# Altium PCB RK_NVR_DEMO1_RK3588_LP4XD200P232SD8_V21_20211228_final_lint.PcbDoc (part 23 of 29) (continued)
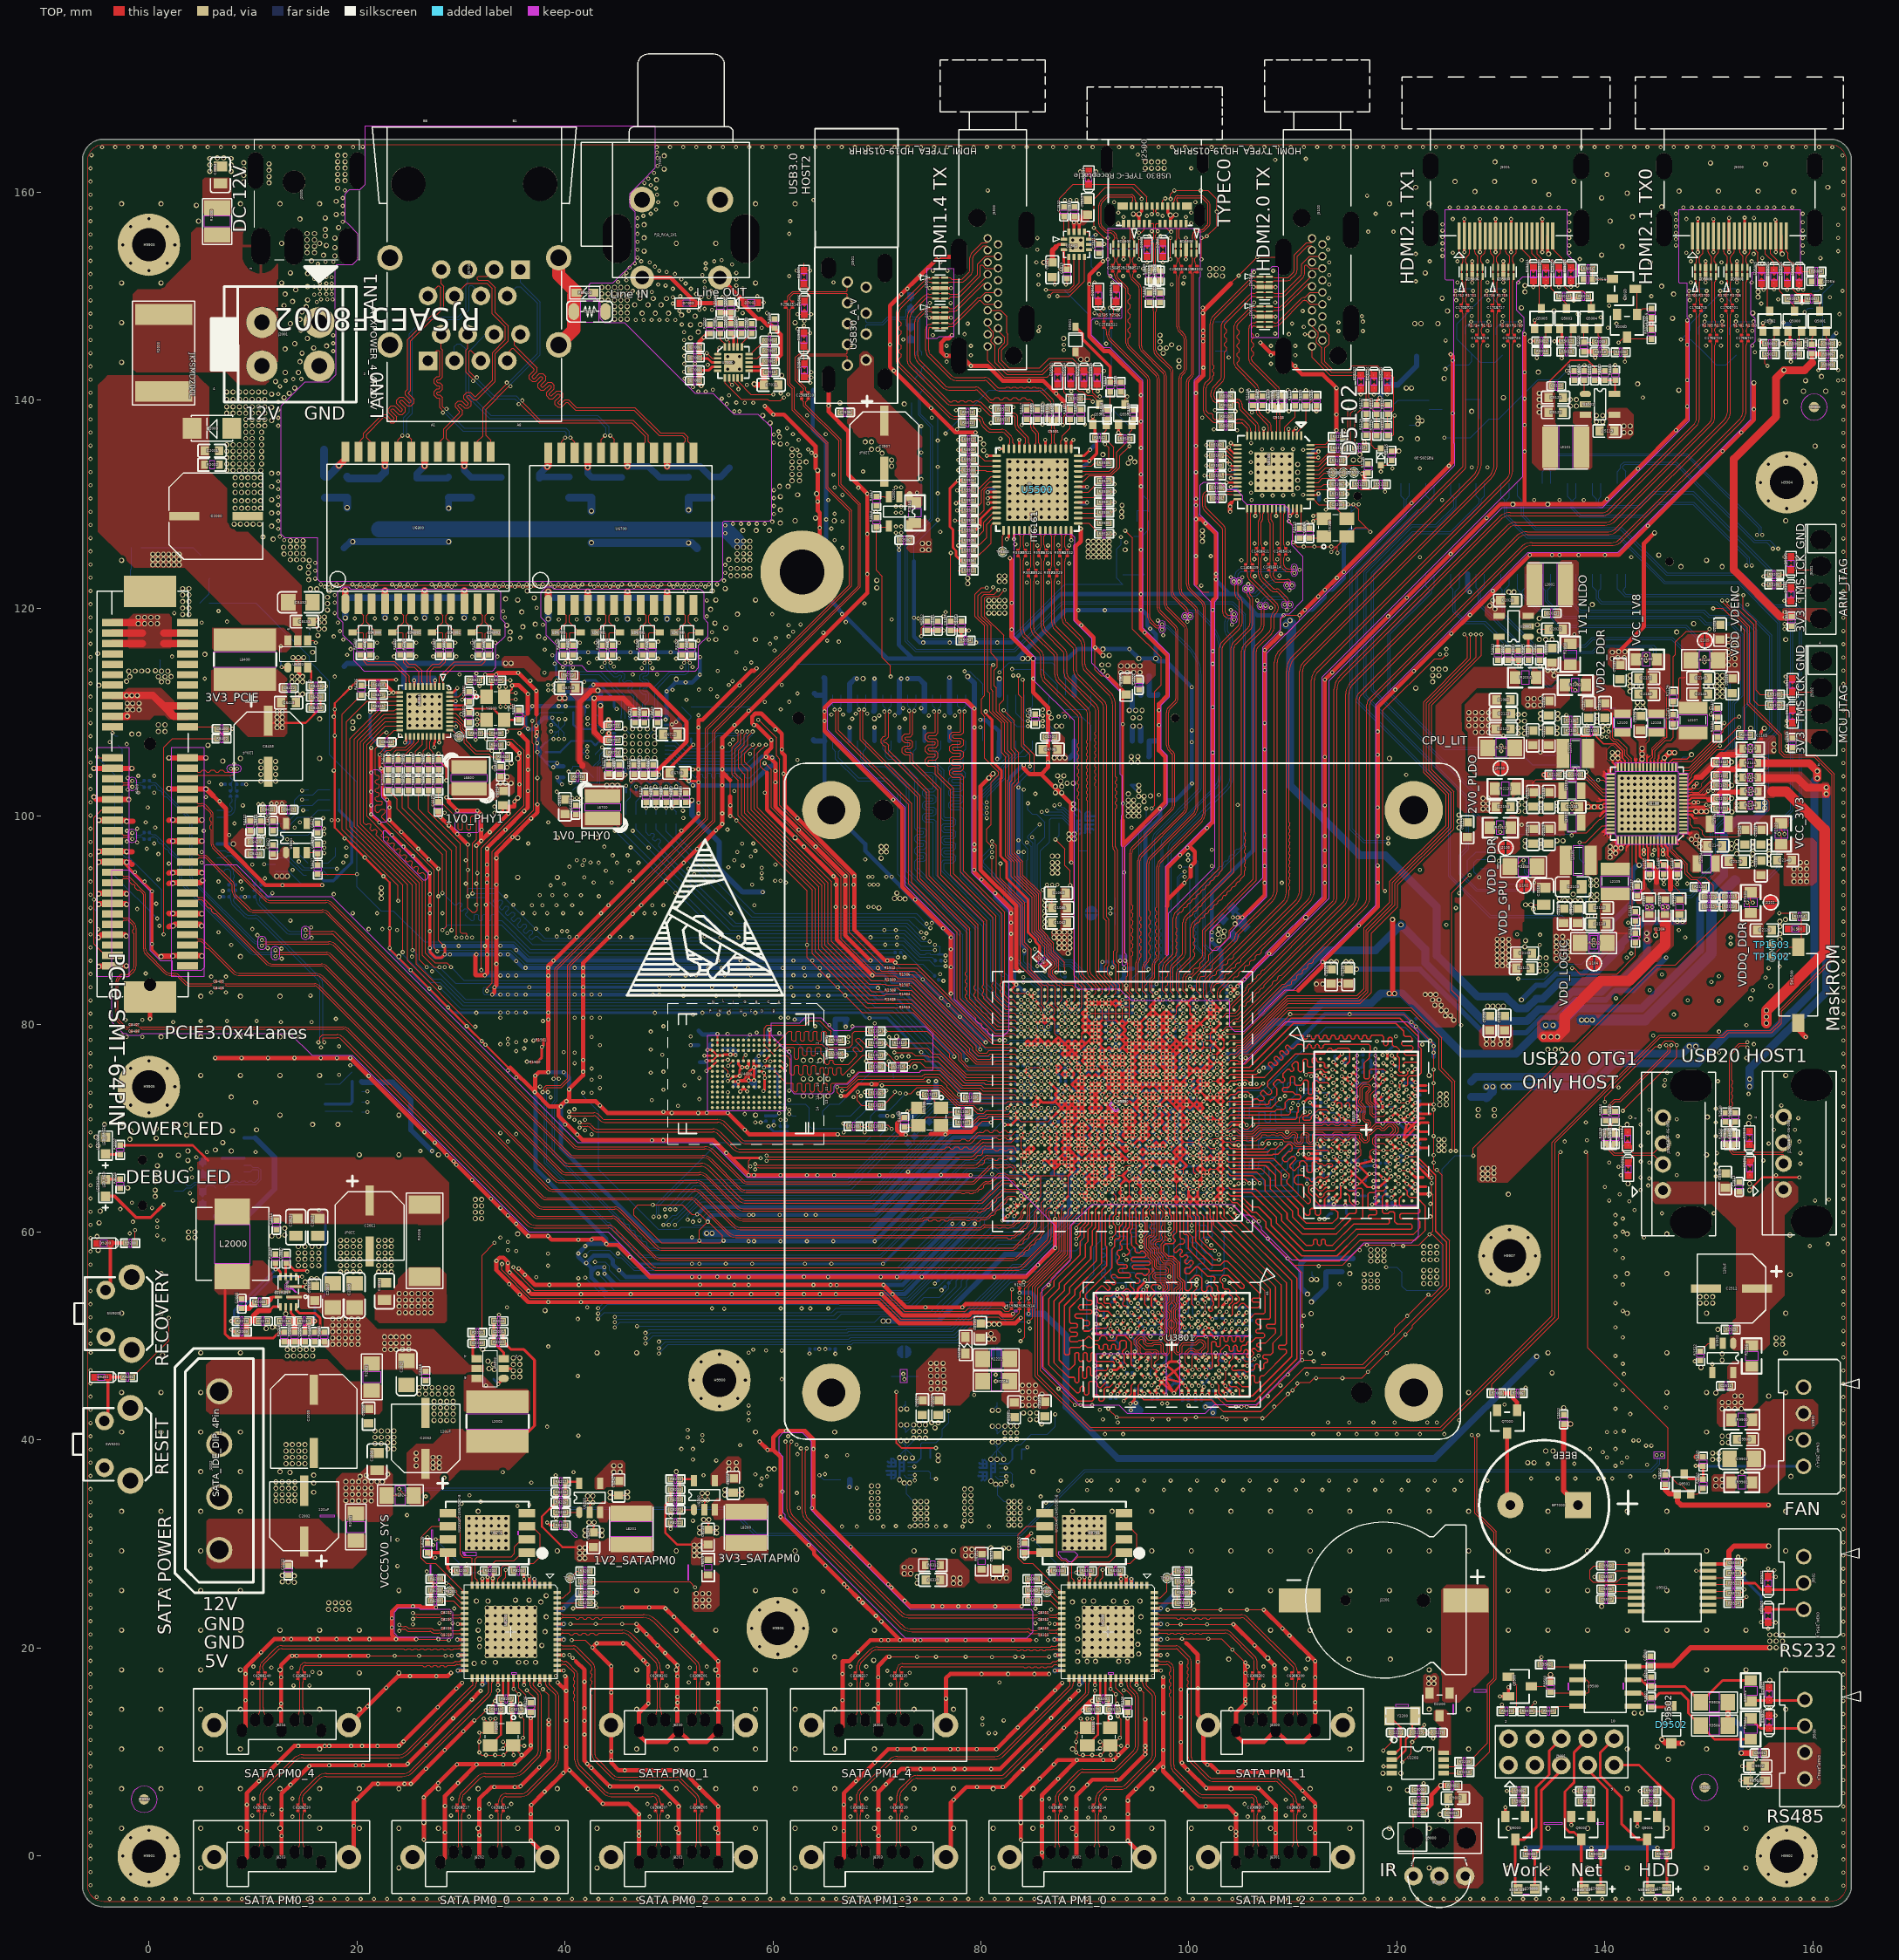
[diagram p0: TOP view]
## Nets (pads, with @x,y where several pads share a name; then routed paths per layer and width w, separated by ;. In a path a pad name is that pad's centre, name@x,y a point inside that pad or via, vN(x,y) a via of type N, cw(c..) or ccw(c..) an arc to the next point about the centre after c; other vN are vias at no path point) (continued)
USB30_2_SSRXN: R2512.1 U1000.J30 | length 150.4
  TOP w0.084: v4(38.907,74.74) 39.056,74.889 39.056,85.36 53.535,99.838 53.535,108.418 67.352,122.235 67.352,129.291 65.117,131.526 65.117,135.793 61.866,139.044 61.866,141.076 61.447,141.496 61.447,148.721 R2512.1@61.231,148.937
  TOP w0.102: v4(85.166,66.731) U1000.J30@85.491,67.055
  BOTTOM w0.084: v4(38.907,74.74) 39.056,74.591 39.056,72.715 38.786,72.445 38.786,67.535 48.048,58.273 70.118,58.273 78.533,66.688 82.33,66.688 82.771,66.247 83.472,66.247 83.634,66.409 84.704,66.409 85.026,66.731 v4(85.166,66.731)
  other v3: 85.166,66.731 38.907,74.74
USB30_2_SSRXP: R2514.1 U1000.J31 | length 150.5
  TOP w0.084: v4(39.409,74.74) 39.26,74.889 39.26,85.276 53.738,99.754 53.738,108.333 67.555,122.151 67.555,129.375 65.32,131.61 65.32,135.878 62.069,139.129 62.069,141.161 61.65,141.58 61.65,148.721 R2514.1@61.866,148.937
  TOP w0.102: v4(84.516,66.731) U1000.J31@84.841,67.055
  BOTTOM w0.084: v4(39.409,74.74) 39.26,74.59 39.26,72.631 38.989,72.361 38.989,67.619 45.279,61.329 45.38,61.329 45.481,61.329 45.66,61.151 45.66,60.949 45.838,60.771 45.939,60.771 46.04,60.771 46.218,60.593 46.218,60.391 46.396,60.212 46.497,60.213 46.598,60.213 46.776,60.035 46.776,59.832 46.954,59.654 47.055,59.654 47.156,59.654 47.334,59.476 47.334,59.274 47.512,59.096 47.614,59.096 47.715,59.096 47.893,58.918 47.893,58.716 48.132,58.476 70.034,58.476 78.449,66.891 78.935,66.891 79.054,67.011 79.283,67.011 79.402,66.891 79.631,66.891 79.75,67.011 79.979,67.011 80.098,66.891 80.326,66.891 80.446,67.011 80.674,67.011 80.794,66.891 81.022,66.891 81.142,67.011 81.37,67.011 81.49,66.891 81.718,66.891 81.838,67.011 82.067,67.011 82.186,66.891 82.414,66.891 82.855,66.45 83.388,66.45 83.549,66.612 84.397,66.612 v4(84.516,66.731)
  other v3: 84.516,66.731 39.409,74.74
USB30_2_SSTXN: C2509.1 U1000.H29 | length 145.2
  TOP w0.084: v4(37.863,73.47) 38.012,73.619 38.012,73.902 38.215,74.105 39.61,74.105 40.276,74.77 40.276,85.634 54.246,99.604 54.246,108.166 68.216,122.136 68.216,129.934 66.336,131.814 66.336,136.081 62.971,139.446 62.971,139.816 62.755,140.032 C2509.1@62.755,140.194
  TOP w0.127: v4(85.816,66.081) U1000.H29@86.141,66.406
  BOTTOM w0.084: v4(37.863,73.47) 38.058,73.274 38.058,66.67 47.142,57.587 70.426,57.587 78.795,65.957 81.393,65.957 81.805,65.545 85.339,65.545 85.593,65.798 85.593,65.997 85.676,66.081 v4(85.816,66.081)
  other v3: 85.816,66.081 37.863,73.47
USB30_2_SSTXP: C2510.1 U1000.H30 | length 145.3
  TOP w0.084: v4(38.364,73.47) 38.215,73.619 38.215,73.818 38.299,73.902 39.695,73.902 40.479,74.686 40.479,85.55 54.449,99.52 54.449,108.082 68.419,122.052 68.419,130.018 66.539,131.898 66.539,136.165 63.174,139.531 63.174,139.816 63.39,140.032 C2510.1@63.39,140.194
  TOP w0.127: v4(85.166,66.081) U1000.H30@85.491,66.406
  BOTTOM w0.084: v4(38.364,73.47) 38.261,73.367 38.261,66.755 44.088,60.928 44.258,60.928 44.436,60.75 44.436,60.581 44.613,60.403 44.783,60.403 44.961,60.225 44.961,60.055 45.139,59.877 45.308,59.877 45.486,59.7 45.486,59.53 45.664,59.352 45.834,59.352 46.011,59.174 46.011,59.005 46.189,58.827 46.359,58.827 46.537,58.649 46.537,58.479 46.714,58.302 46.884,58.302 47.062,58.124 47.062,57.954 47.226,57.79 70.341,57.79 78.711,66.16 81.477,66.16 81.889,65.748 82.374,65.748 82.493,65.868 82.722,65.868 82.841,65.748 83.07,65.748 83.189,65.868 83.418,65.868 83.537,65.748 85.255,65.748 85.389,65.883 85.389,65.997 85.306,66.081 v4(85.166,66.081)
  other v3: 85.166,66.081 38.364,73.47
USB30_HOST2_SSRXN: D2507.1 J2501.5 R2512.2 | length 8.3
  TOP w0.084: R2512.2@61.231,149.437 61.447,149.653 61.447,150.018 61.889,150.46 62.479,150.46 62.679,150.66 62.679,150.872 D2507.1@63.003,151.197 63.39,150.81 63.39,150.544 63.474,150.46 67.08,150.46 67.163,150.544 J2501.5@67.163,151.358
USB30_HOST2_SSRXP: D2506.1 J2501.6 R2514.2 | length 8
  TOP w0.084: R2514.2@61.866,149.437 61.65,149.653 61.65,149.933 61.973,150.257 62.524,150.257 62.706,150.074 62.706,149.817 D2506.1@63.003,149.52 63.39,149.907 63.39,150.161 63.485,150.257 67.08,150.257 67.163,150.173 J2501.6@67.163,149.358
USB30_HOST2_SSTXN: C2509.2 D2508.1 J2501.8 | length 11
  TOP w0.084: C2509.2@62.755,140.694 62.971,140.91 62.971,141.089 62.171,141.889 62.171,144.107 62.524,144.46 62.919,144.46 63.003,144.544 D2508.1@63.003,145.197 63.39,144.81 63.39,144.544 63.474,144.46 67.08,144.46 67.163,144.544 J2501.8@67.163,145.358
USB30_HOST2_SSTXP: C2510.2 D2509.1 J2501.9 | length 10.6
  TOP w0.084: D2509.1@63.003,143.52 63.013,143.53 ; C2510.2@63.39,140.694 63.174,140.91 63.174,141.173 62.374,141.974 62.374,144.023 62.608,144.257 62.928,144.257 63.013,144.173 63.013,143.53 ; J2501.9@67.163,143.358 67.163,144.173 67.08,144.257 63.485,144.257 63.39,144.161 63.39,143.907 63.013,143.53
USB_HOST_PWREN_H_GPIO4_B0: R2516.1 U1000.AK26 U2501.4 U2502.4 | length 169.8
  TOP w0.102: U2501.4@71.143,127.896 71.055,127.807 R2516.1@69.943,127.807 69.943,123.635 70.502,123.076 70.502,115.253 71.315,114.44 v4(71.315,113.424) ; v4(82.186,110.173) 83.202,109.157 83.202,106.515 83.608,106.109 83.608,103.264 83.202,102.858 83.202,96.457 84.015,95.644 84.015,94.323 85.746,92.592 85.746,89.178 86.453,88.471 86.453,88.329 86.999,87.783 86.999,86.97 88.028,85.941 88.028,85.433 88.079,85.382 v4(88.079,84.976) ; U1000.AK26@88.091,80.706 v4(88.415,80.381) ; U2502.4@150.332,46.5 v4(150.332,47.301)
  L4-S1 w0.102: v4(150.332,47.301) 150.332,51.522 153.407,54.598 153.407,76.543 v4(153.611,76.746)
  L6-S2 w0.089: 88.079,84.081 88.079,80.889 88.281,80.686 88.281,80.515 v4(88.415,80.381)
  L6-S2 w0.102: v4(71.315,113.424) 71.619,113.729 77.715,113.729 78.528,112.916 79.849,112.916 80.865,111.9 80.865,111.494 v4(82.186,110.173) ; 88.079,84.081 v4(88.079,84.976) 88.079,85.586 95.724,93.231 119.041,93.231 123.638,88.634 125.975,88.634 129.43,85.179 130.344,85.179 131.563,83.96 132.986,83.96 133.697,83.249 135.424,83.249 135.831,82.842 137.659,82.842 143.349,77.153 150.563,77.153 150.969,76.746 v4(153.611,76.746)
  other v3: 150.332,47.301 153.611,76.746 88.415,80.381 88.079,84.976 82.186,110.173 71.315,113.424
  other v12: 153.611,76.746 88.415,80.381 88.079,84.976 82.186,110.173 71.315,113.424
  other v17: 150.332,47.301 153.611,76.746
USB_OTG_PWREN_H_GPIO4_A7: R2510.1 U1000.AM27 U2500.4 | length 94.7
  TOP w0.102: v4(81.17,122.009) 81.17,121.857 80.865,121.552 80.104,121.552 79.747,121.195 79.747,119.215 80.662,118.301 80.662,112.002 80.865,111.798 80.865,110.071 81.983,108.954 81.983,106.109 82.389,105.702 82.389,96.119 82.897,95.611 82.897,94.222 84.933,92.186 84.933,88.841 85.539,88.235 85.539,88.024 86.148,87.414 86.148,86.602 86.859,85.89 86.859,85.687 86.504,85.332 86.504,84.62 87.367,83.757 87.469,83.757 87.774,83.452 87.774,82.339 U1000.AM27@87.441,82.006
  L4-S1 w0.102: v4(101.185,122.162) 97.934,125.413 97.934,134.252 101.693,138.011 101.693,139.637 102.506,140.45 102.506,141.161 102.861,141.516 103.573,141.516 103.827,141.77 v4(103.827,144.107)
  L6-S2 w0.102: v4(81.17,122.009) 81.17,123.076 81.652,123.559 82.516,123.559 83.024,123.051 89.933,123.051 90.314,122.67 100.677,122.67 v4(101.185,122.162)
  BOTTOM w0.102: U2500.4@102.558,144.747 103.651,144.747 R2510.1@103.7,144.698 103.7,144.234 v4(103.827,144.107)
  other v3: 81.17,122.009 101.185,122.162 103.827,144.107
  other v12: 81.17,122.009 101.185,122.162
  other v17: 101.185,122.162 103.827,144.107
USBCC_INT_L_GPIO1_A0: U1000.A24 U2503.5 | length 263.6
  TOP w0.102: v4(86.25,150.61) 88.485,150.61 88.946,151.071 U2503.5@88.946,153.768 ; U1000.A24@89.391,61.856 88.536,61.001 88.536,57.671 85.488,54.623 85.488,46.266 90.514,41.24 124.2,41.24 134.916,51.956 134.916,68.618 145.232,78.934 151.328,78.934 151.782,79.388 155.947,79.388 156.76,80.201 156.76,81.318 161.84,86.398 161.84,103.975 160.113,105.702 157.167,105.702 156.76,106.109 156.76,107.734 153.712,110.782 153.712,118.167 151.274,120.605 v4(151.274,120.739)
  L4-S1 w0.102: v4(91.127,147.46) 91.127,145.428 92.447,144.107 92.447,136.056 93.26,135.243 93.26,132.83 94.683,131.407 94.683,128.867 93.484,127.669 93.484,127.322 93.971,126.835 v4(93.971,126.327)
  L6-S2 w0.102: v4(93.971,126.327) 95.495,126.327 96.41,125.413 103.319,125.413 105.097,123.635 109.262,123.635 115.815,117.082 129.633,117.082 134.103,121.552 150.461,121.552 v4(151.274,120.739)
  BOTTOM w0.102: v4(86.25,150.61) 87.977,150.61 v4(91.127,147.46)
  other v3: 151.274,120.739 93.971,126.327 91.127,147.46 86.25,150.61
  other v12: 151.274,120.739 93.971,126.327
  other v17: 93.971,126.327 91.127,147.46
VBUS5V0_TYPEC0: C2504.1 C2505.1 C2516.1 C2528.1 J2500.A4 J2500.A9 J2500.B4 J2500.B9 R2505.1 R2539.2 U2503.2 | length 8.3
  TOP w0.305: 87.215,154.724 87.469,154.978 U2503.2@87.986,154.978 ; v8(94.657,157.899) 94.708,157.899 94.733,157.874 94.91,157.874 95.214,157.569 ; J2500.A9@95.214,156.975 95.214,157.569 ; J2500.B4@95.465,158.675 95.465,158.148 v8(95.214,157.898) 95.214,157.569 ; J2500.B9@97.964,158.675 97.964,158.046 v8(98.215,157.796) 98.215,157.393 ; J2500.A4@98.215,156.975 98.215,157.393 ; v8(98.747,157.823) 98.645,157.823 98.215,157.393
  TOP w0.508: v8(86.047,153.24) C2516.1@86.859,153.24 86.859,154.369 87.215,154.724
  other v7: 103.217,151.931 101.998,152.032 102.608,152.032 101.998,152.642 102.608,152.642 103.217,152.642 86.047,153.24 98.215,157.796 98.747,157.823 94.657,157.899 95.214,157.898
  other v8: 103.217,151.931 101.998,152.032 102.608,152.032 101.998,152.642 102.608,152.642 103.217,152.642
  other v20: 103.217,151.931 101.998,152.032 102.608,152.032 101.998,152.642 102.608,152.642 103.217,152.642 86.047,153.24 98.215,157.796 98.747,157.823 94.657,157.899 95.214,157.898
VCC3V3_FT232_DEBUG: C9104.1 U9100.17 | length 2.1
  BOTTOM w0.305: C9104.1@7.059,67.096 7.071,67.107 U9100.17@9.159,67.107
VCC3V3_IR: C9001.1 C9002.1 IR9000.3 J9000.3 R9002.2
VCC3V3_PCIE30: C8411.1 C8412.1 C8413.1 C8414.1 C8415.1 C8416.1 C8434.1 C8435.1 C8436.1 C8437.1 J8400.A9 J8400.A10 J8400.B8 J8400.B10 L8400.2 R8430.1 | length 18.2
  TOP w0.203: C8435.1@11.687,108.954 15.054,108.954 C8434.1@16.506,110.405 R8430.1@16.506,111.46
  TOP w0.711: J8400.B10@-3.495,109.599 v8(-2.077,109.599) ; J8400.B8@-3.495,111.599 v8(-2.142,111.599) v8(-1.634,111.599) v8(-1.126,111.599) 0.398,111.599 1.398,110.599 ; J8400.A10@3.705,109.599 2.398,109.599 1.398,110.599 ; J8400.A9@3.705,110.599 1.398,110.599
  other v7: 12.325,108.511 12.833,108.511 12.325,109.019 12.833,109.019 12.325,109.527 12.833,109.527 -2.077,109.599 12.325,110.035 12.833,110.035 -2.077,110.234 -1.569,110.234 -0.959,110.234 -2.077,110.844 -1.569,110.844 -0.959,110.844 -2.142,111.599 -1.634,111.599 -1.126,111.599
  other v8: 12.325,108.511 12.833,108.511 12.325,109.019 12.833,109.019 12.325,109.527 12.833,109.527 12.325,110.035 12.833,110.035 -2.077,110.234 -1.569,110.234 -0.959,110.234 -2.077,110.844 -1.569,110.844 -0.959,110.844
VCC3V3_PHY0: C6712.1 C6713.1 C6714.1 C6719.1 C6720.1 R6717.1 R6719.1 R6733.2 R6734.1 U6701.11 U6701.29 U6701.40 | length 16.7
  TOP w0.508: 41.691,104.788 41.691,104.941 41.419,105.213 41.419,110.935 42.562,112.078 v8(43.171,112.078) ; v8(43.425,110.63) 43.425,108.928 43.651,108.702 C6714.1@44.204,108.702 44.187,108.719 v4(44.187,109.284)
  BOTTOM w0.254: v4(44.187,109.284) 44.187,109.026 44.441,108.772 U6701.40@44.81,108.772 ; v4(45.81,103.978) U6701.29@45.81,104.572 ; U6701.11@49.61,108.772 50.233,108.772 v4(50.283,108.823)
  BOTTOM w0.406: v4(50.283,108.823) 50.458,108.823 v4(50.69,109.055) 51.171,109.536 R6734.1@51.23,109.536
  BOTTOM w0.508: v8(43.171,112.078) 43.425,111.824 v8(43.425,110.63)
  other v3: 45.81,103.978 50.283,108.823 50.69,109.055 44.187,109.284
  other v7: 43.425,110.63 43.171,112.078
VCC3V3_PHY1: C6811.1 C6812.1 C6813.1 C6818.1 C6819.1 R6817.1 R6819.1 R6833.2 R6834.1 U6801.11 U6801.29 U6801.40 | length 4.2
  TOP w0.254: v4(23.512,111.871) U6801.11@24.109,111.871 ; v4(27.909,107.077) U6801.29@27.909,107.671 ; U6801.40@28.909,111.871 29.227,111.871 v4(29.66,112.305)
  TOP w0.305: R6834.1@22.489,112.635 22.774,112.635 23.512,111.897 v4(23.512,111.871)
  BOTTOM w0.305: C6819.1@29.509,111.648 29.481,111.676 29.481,112.125 v4(29.66,112.305)
  other v3: 27.909,107.077 31.411,107.353 23.105,111.849 23.512,111.871 29.66,112.305
  other v4: 31.411,107.353 23.105,111.849
  other v26: 27.909,107.077 31.411,107.353 23.105,111.849 23.512,111.871 29.66,112.305
VCC3V3_PI6C_05: C8417.1 C8418.1 C8422.1 C8425.1 R8408.1 R8410.1 R8412.1 R8417.1 R8420.1 R8422.1 U8400.1 U8401.5 | length 12
  BOTTOM w0.203: R8408.1@18.298,100.563 R8412.1@18.298,101.588 R8410.1@18.298,102.553
  BOTTOM w0.305: R8417.1@16.062,94.319 16.29,94.319 16.819,93.79 17.746,93.79 18.1,94.143 R8420.1@18.1,94.319 18.275,94.319 19.499,95.542 19.499,99.362 R8408.1@18.298,100.563
  other v3: 11.777,101.232 12.285,101.232 12.793,101.232
  other v4: 11.777,101.232 12.285,101.232 12.793,101.232
VCC3V3_SATAPM0: C8209.1 C8225.1 C8226.1 C8227.1 C8228.1 C8229.1 C8230.1 C8231.1 C8232.1 C8233.1 C8234.1 C8235.1 C8236.1 L8200.2 R8200.1 R8203.1 R8204.1 R8205.1 R8208.1 R8209.1 R8210.1 R8211.2 R8213.1 R8215.1 R8311.1 U8200.6 U8200.12 U8200.26 U8200.32 U8200.38 U8200.43 U8200.49 U8200.55 U8200.61 U8201.8 | length 32.1
  TOP w0.203: v4(38.295,32.068) 38.551,31.811 R8215.1@39.14,31.811 ; C8225.1@50.164,35.254 R8213.1@50.164,34.269 49.648,33.754 49.648,31.103 50.781,29.969 C8226.1@53.759,29.969
  TOP w0.254: v4(29.024,27.42) R8205.1@29.589,27.42 ; v4(33.065,26.706) 33.065,27.251 R8203.1@33.233,27.42 ; R8204.1@35.976,27.42 36.065,27.331 v4(36.065,26.632)
  TOP w0.305: R8209.1@27.097,24.541 R8210.1@27.097,25.557 27.097,25.62 27.525,26.048 v4(27.525,26.073) 27.5,26.073 27.097,26.476 R8208.1@27.097,26.632 ; v4(27.525,28.69) 27.279,28.69 C8228.1@26.79,29.179 U8201.8@28.738,29.179 28.738,27.705 v4(29.024,27.42) ; v4(29.659,20.827) U8200.26@30.365,20.827 ; v4(29.7,17.827) U8200.32@30.365,17.827 ; U8200.12@33.065,26.028 v4(33.065,26.706) ; v4(33.565,16.447) U8200.38@33.565,17.127 ; v4(36.065,16.467) U8200.43@36.065,17.127 ; U8200.6@36.065,26.028 v4(36.065,26.632) ; U8200.49@39.265,17.827 v4(39.895,17.827) ; U8200.55@39.265,20.827 v4(39.895,20.827) ; U8200.61@39.265,23.827 v4(39.88,23.827) ; R8200.1@42.41,25.345 v4(43.07,25.345)
  BOTTOM w0.508: v4(29.659,20.827) 29.735,20.827 29.749,20.842 C8234.1@30.225,20.842 ; v4(29.7,17.827) 29.751,17.827 29.819,17.896 C8229.1@30.251,17.896 ; C8235.1@39.261,20.865 39.857,20.865 v4(39.895,20.827) ; C8230.1@39.261,23.735 39.788,23.735 v4(39.88,23.827) 41.398,25.345 v4(43.07,25.345)
  other v3: 33.565,16.447 36.065,16.467 29.7,17.827 39.895,17.827 29.659,20.827 39.895,20.827 39.88,23.827 43.07,25.345 27.525,26.073 36.065,26.632 33.065,26.706 29.024,27.42 27.525,28.69 38.295,32.068
  other v7: 52.442,28.893 52.95,28.893 78.528,28.893 79.138,28.893 52.442,29.401 52.95,29.401 78.528,29.502 79.138,29.502 52.442,29.909 52.95,29.909
  other v8: 52.442,28.893 52.95,28.893 78.528,28.893 79.138,28.893 52.442,29.401 52.95,29.401 78.528,29.502 79.138,29.502 52.442,29.909 52.95,29.909
  other v12: 33.565,16.447 36.065,16.467 29.7,17.827 39.895,17.827 29.659,20.827 39.895,20.827 39.88,23.827 27.525,26.073 36.065,26.632 33.065,26.706 29.024,27.42 27.525,28.69 38.295,32.068
  other v22: 52.442,28.893 52.95,28.893 78.528,28.893 79.138,28.893 52.442,29.401 52.95,29.401 78.528,29.502 79.138,29.502 52.442,29.909 52.95,29.909
VCC3V3_SATAPM1: C8308.1 C8324.1 C8325.1 C8326.1 C8327.1 C8328.1 C8329.1 C8330.1 C8331.1 C8332.1 C8333.1 C8334.1 R8300.1 R8303.1 R8304.1 R8305.1 R8308.1 R8309.1 R8310.1 R8311.2 U8300.6 U8300.12 U8300.26 U8300.32 U8300.38 U8300.43 U8300.49 U8300.55 U8300.61 U8301.8 | length 19.6
  TOP w0.254: v4(86.428,27.42) R8305.1@86.993,27.42 ; v4(90.469,26.706) 90.469,27.251 R8303.1@90.637,27.42 ; R8304.1@93.38,27.42 93.469,27.331 v4(93.469,26.632)
  TOP w0.305: v4(84.194,28.639) C8326.1@84.194,29.179 U8301.8@86.142,29.179 ; R8310.1@84.501,24.541 R8309.1@84.501,25.557 v4(84.501,26.082) R8308.1@84.501,26.632 ; v4(87.063,20.827) U8300.26@87.769,20.827 ; v4(87.104,17.827) U8300.32@87.769,17.827 ; U8300.12@90.469,26.028 v4(90.469,26.706) ; v4(90.969,16.447) U8300.38@90.969,17.127 ; v4(93.469,16.467) U8300.43@93.469,17.127 ; U8300.6@93.469,26.028 v4(93.469,26.632) ; U8300.49@96.669,17.827 v4(97.299,17.827) ; U8300.55@96.669,20.827 v4(97.299,20.827) ; U8300.61@96.669,23.827 v4(97.284,23.827) ; R8300.1@99.814,25.345 v4(100.474,25.345)
  BOTTOM w0.508: v4(87.063,20.827) 87.139,20.827 87.153,20.842 C8327.1@87.629,20.842 ; v4(87.104,17.827) 87.155,17.827 87.223,17.896 C8308.1@87.655,17.896 ; C8332.1@96.665,20.865 97.261,20.865 v4(97.299,20.827) ; C8333.1@96.665,23.735 97.192,23.735 v4(97.284,23.827) 98.802,25.345 v4(100.474,25.345)
  other v3: 90.969,16.447 93.469,16.467 87.104,17.827 97.299,17.827 87.063,20.827 97.299,20.827 97.284,23.827 100.474,25.345 84.501,26.082 93.469,26.632 90.469,26.706 86.428,27.42 84.194,28.639
  other v7: 81.17,26.734 81.805,26.734 82.44,26.734 82.44,27.369
  other v8: 81.17,26.734 81.805,26.734 82.44,26.734 82.44,27.369
  other v17: 90.969,16.447 93.469,16.467 87.104,17.827 97.299,17.827 87.063,20.827 97.299,20.827 97.284,23.827 84.501,26.082 93.469,26.632 90.469,26.706 86.428,27.42 84.194,28.639
  other v20: 81.17,26.734 81.805,26.734 82.44,26.734 82.44,27.369
VCC4V0_SYS: C2015.1 C2017.1 C2020.1 C2103.1 C2104.1 C2105.1 C2114.1 C2126.1 C2127.1 C2138.1 C2139.1 C2147.1 C2148.1 C2161.1 C2162.1 C2200.1 C2201.1 C2202.1 C2203.1 C2218.1 C2219.1 C5119.1 C5520.1 C8224.1 C8242.1 C8421.1 ED2100.1 R2006.2 R2136.1 R8212.1 U2000.5 U2001.4 U2100.1 U2100.7 U2100.21 U2100.22 U2100.27 U2100.28 U2100.33 U2100.34 U2100.43 U2100.44 U2100.52 U2100.53 U2100.54 U2100.64 U2200.D1 U2200.D2 U2200.E1 U2200.E2 U2201.D1 U2201.D2 U2201.E1 U2201.E2 U2202.D1 U2202.D2 U2202.E1 U2202.E2 U5101.4 U5501.4 U8202.4 U8203.4 U8401.1 | length 38.4
  TOP w0.152: v8(140.73,105.576) 140.73,105.881 140.832,105.983 141.137,105.983 v8(141.238,106.084) ; U2100.1@147.905,98.403 148.124,98.184 148.343,98.403
  TOP w0.203: v4(50.164,31.458) R8212.1@50.164,32.065 ; R2136.1@136.289,109.195 v4(136.289,109.721) ; U2100.44@140.538,100.853 v7@139.665,100.853 ; U2100.43@140.538,101.203 139.916,101.203 v8(139.615,100.902) ; v8(140.73,105.576) 140.73,105.171 140.911,104.991 140.95,104.991 U2100.34@141.238,104.703 v8(141.238,105.576) 141.588,105.226 U2100.33@141.588,104.703 ; v8(141.546,96.94) v7@141.588,96.982 ; U2100.53@141.588,97.703 v7@141.588,96.982 ; U2100.54@141.938,97.703 141.938,97.332 v7@141.588,96.982 ; U2100.28@143.338,104.703 143.338,105.234 v8(143.578,105.474) 143.688,105.363 U2100.27@143.688,104.703 ; U2100.64@145.438,97.703 145.438,97.111 145.584,96.965 v4(145.584,96.736) ; U2100.22@145.438,104.703 145.438,105.321 v8(145.718,105.601) 145.788,105.531 U2100.21@145.788,104.703 ; U2100.7@147.538,100.503 148.701,100.503 v8(148.752,100.452) ; 147.54,98.057 147.538,98.058 U2100.1@147.538,98.403 147.905,98.403 148.343,98.403 148.353,98.413 ; v8(139.615,100.902) v7@139.665,100.853 ; v8(139.615,100.902) v7@139.664,100.853 ; 140.936,97.55 141.038,97.448 v8(141.038,96.94) 141.238,97.14 U2100.52@141.238,97.703 141.089,97.703 140.936,97.55
  TOP w0.254: U2000.5@13.154,55.717 13.154,56.947 C2017.1@13.199,56.992 13.345,56.992 14.038,56.299 15.155,56.299 v4(15.231,56.223)
  TOP w0.406: v4(145.584,96.33) v4(145.584,96.736)
  TOP w0.508: v8(138.396,100.902) 138.955,100.902 v8(138.98,100.876) 139.006,100.902 v8(139.615,100.902) ; v8(141.038,96.432) v8(141.038,96.94) v8(141.546,96.94) ; v8(141.238,105.576) v8(141.238,106.084) ; v8(143.578,105.474) v8(143.578,105.982) v8(143.578,106.515) ; v8(145.718,105.601) 146.194,106.077 v8(146.194,106.109) v8(146.702,106.109) ; v8(148.752,100.452) v8(149.267,100.452) v8(149.775,100.452)
  BOTTOM w0.203: 70.937,37.049 U2201.E2@71.384,37.049 ; 71,36.649 U2201.E1@71.384,36.649 ; 71.384,36.278 U2201.E1@71.384,36.649 ; 71.619,36.31 71.784,36.474 U2201.D1@71.784,36.649 ; 79.747,36.564 79.789,36.522 U2200.E1@80.173,36.522 ; 79.849,36.919 79.852,36.922 U2200.E2@80.173,36.922 ; 80.052,36.106 80.173,36.227 U2200.E1@80.173,36.522 ; 80.357,36.106 80.573,36.322 U2200.D1@80.573,36.522 ; 90.212,100.419 90.047,100.254 U2202.D1@90.047,99.978 ; 90.415,100.419 90.447,100.387 U2202.E1@90.447,99.978 ; 90.822,99.606 90.793,99.578 U2202.E2@90.447,99.578 ; 90.923,100.013 90.888,99.978 U2202.E1@90.447,99.978 ; U2201.E1@71.384,36.649 U2201.D1@71.784,36.649 ; U2201.E1@71.384,36.649 U2201.E2@71.384,37.049 ; U2201.E2@71.384,37.049 U2201.D2@71.784,37.049 U2201.D1@71.784,36.649 ; U2200.E1@80.173,36.522 U2200.D1@80.573,36.522 ; U2200.E1@80.173,36.522 U2200.E2@80.173,36.922 ; U2200.E2@80.173,36.922 U2200.D2@80.573,36.922 U2200.D1@80.573,36.522 ; U2202.D1@90.047,99.978 U2202.D2@90.047,99.578 U2202.E2@90.447,99.578 ; U2202.D1@90.047,99.978 U2202.E1@90.447,99.978 ; U2202.E2@90.447,99.578 U2202.E1@90.447,99.978
  other v3: 50.164,31.458 15.231,56.223 145.584,96.33 145.584,96.736 136.847,100.724 136.847,101.232 136.289,109.721
  other v4: 136.847,100.724 136.847,101.232
  other v7: 78.427,32.246 79.036,32.246 69.486,32.55 70.095,32.55 78.427,32.855 79.036,32.855 69.486,33.16 70.095,33.16 78.427,33.465 79.036,33.465 69.486,33.77 70.095,33.77 78.427,34.074 79.036,34.074 69.486,34.379 70.095,34.379 78.427,34.684 79.036,34.684 69.486,34.989 70.095,34.989 78.427,35.294 79.036,35.294 69.486,35.598 70.095,35.598 44.695,36.919 45.305,36.919 55.77,37.224 56.481,37.224 44.695,37.529 45.305,37.529 55.77,37.834 56.481,37.834 24.071,52.261 24.68,52.261 25.29,52.261 25.899,52.261 26.509,52.261 27.119,52.261 24.071,52.87 24.68,52.87 25.29,52.87 25.899,52.87 26.509,52.87 27.119,52.87 24.071,53.48 24.68,53.48 25.29,53.48 25.899,53.48 26.509,53.48 27.119,53.48 24.071,54.09 24.68,54.09 25.29,54.09 25.899,54.09 26.509,54.09 27.119,54.09 22.343,92.088 22.343,92.596 22.343,93.104 12.285,94.222 12.793,94.222 13.301,94.222 140.504,96.05 141.038,96.432 140.504,96.558 141.038,96.94 141.546,96.94 140.504,97.066 149.14,97.067 148.734,97.371 149.14,97.676 148.328,97.778 148.835,98.082 94.175,100.013 94.683,100.013 95.191,100.013 148.752,100.452 149.267,100.452 149.775,100.452 94.175,100.521 94.683,100.521 95.191,100.521 138.98,100.876 138.396,100.902 139.615,100.902 94.175,101.029 94.683,101.029 95.191,101.029 94.175,101.537 94.683,101.537 94.175,102.147 143.578,105.474 140.73,105.576 141.238,105.576 145.718,105.601 143.578,105.982 141.238,106.084 140.707,106.109 146.194,106.109 146.702,106.109 143.578,106.515 80.763,119.52 81.271,119.52 81.779,119.52 82.287,119.52 129.43,119.926 80.763,120.13 81.271,120.13 81.779,120.13 82.287,120.13 128.922,120.231 80.763,120.739 81.271,120.739 81.779,120.739 82.287,120.739 129.227,120.739 141.825,136.894 142.435,136.894 141.825,137.503 142.435,137.503
  other v8: 78.427,32.246 79.036,32.246 69.486,32.55 70.095,32.55 78.427,32.855 79.036,32.855 69.486,33.16 70.095,33.16 78.427,33.465 79.036,33.465 69.486,33.77 70.095,33.77 78.427,34.074 79.036,34.074 69.486,34.379 70.095,34.379 78.427,34.684 79.036,34.684 69.486,34.989 70.095,34.989 78.427,35.294 79.036,35.294 69.486,35.598 70.095,35.598 44.695,36.919 45.305,36.919 55.77,37.224 56.481,37.224 44.695,37.529 45.305,37.529 55.77,37.834 56.481,37.834 24.071,52.261 24.68,52.261 25.29,52.261 25.899,52.261 26.509,52.261 27.119,52.261 24.071,52.87 24.68,52.87 25.29,52.87 25.899,52.87 26.509,52.87 27.119,52.87 24.071,53.48 24.68,53.48 25.29,53.48 25.899,53.48 26.509,53.48 27.119,53.48 24.071,54.09 24.68,54.09 25.29,54.09 25.899,54.09 26.509,54.09 27.119,54.09 22.343,92.088 22.343,92.596 22.343,93.104 12.285,94.222 12.793,94.222 13.301,94.222 140.504,96.05 140.504,96.558 140.504,97.066 149.14,97.067 148.734,97.371 149.14,97.676 148.328,97.778 148.835,98.082 94.175,100.013 94.683,100.013 95.191,100.013 94.175,100.521 94.683,100.521 95.191,100.521 94.175,101.029 94.683,101.029 95.191,101.029 94.175,101.537 94.683,101.537 94.175,102.147 140.707,106.109 80.763,119.52 81.271,119.52 81.779,119.52 82.287,119.52 129.43,119.926 80.763,120.13 81.271,120.13 81.779,120.13 82.287,120.13 128.922,120.231 80.763,120.739 81.271,120.739 81.779,120.739 82.287,120.739 129.227,120.739 141.825,136.894 142.435,136.894 141.825,137.503 142.435,137.503
  other v19: 78.427,32.246 79.036,32.246 69.486,32.55 70.095,32.55 78.427,32.855 79.036,32.855 69.486,33.16 70.095,33.16 78.427,33.465 79.036,33.465 69.486,33.77 70.095,33.77 78.427,34.074 79.036,34.074 69.486,34.379 70.095,34.379 78.427,34.684 79.036,34.684 69.486,34.989 70.095,34.989 78.427,35.294 79.036,35.294 69.486,35.598 70.095,35.598 44.695,36.919 45.305,36.919 55.77,37.224 56.481,37.224 44.695,37.529 45.305,37.529 55.77,37.834 56.481,37.834 24.071,52.261 24.68,52.261 25.29,52.261 25.899,52.261 26.509,52.261 27.119,52.261 24.071,52.87 24.68,52.87 25.29,52.87 25.899,52.87 26.509,52.87 27.119,52.87 24.071,53.48 24.68,53.48 25.29,53.48 25.899,53.48 26.509,53.48 27.119,53.48 24.071,54.09 24.68,54.09 25.29,54.09 25.899,54.09 26.509,54.09 27.119,54.09 22.343,92.088 22.343,92.596 22.343,93.104 140.504,96.05 141.038,96.432 140.504,96.558 141.038,96.94 141.546,96.94 140.504,97.066 149.14,97.067 148.734,97.371 149.14,97.676 148.328,97.778 148.835,98.082 148.752,100.452 149.267,100.452 149.775,100.452 138.98,100.876 138.396,100.902 139.615,100.902 143.578,105.474 140.73,105.576 141.238,105.576 145.718,105.601 143.578,105.982 141.238,106.084 140.707,106.109 146.194,106.109 146.702,106.109 143.578,106.515 129.43,119.926 128.922,120.231 129.227,120.739 141.825,136.894 142.435,136.894 141.825,137.503 142.435,137.503
  other v20: 94.175,100.013 94.683,100.013 95.191,100.013 94.175,100.521 94.683,100.521 95.191,100.521 94.175,101.029 94.683,101.029 95.191,101.029 94.175,101.537 94.683,101.537 94.175,102.147
  other v22: 22.343,92.088 22.343,92.596 22.343,93.104 12.285,94.222 12.793,94.222 13.301,94.222
  other v25: 80.763,119.52 81.271,119.52 81.779,119.52 82.287,119.52 80.763,120.13 81.271,120.13 81.779,120.13 82.287,120.13 80.763,120.739 81.271,120.739 81.779,120.739 82.287,120.739
  other v26: 50.164,31.458 15.231,56.223 145.584,96.33 145.584,96.736 136.847,100.724 136.847,101.232 136.289,109.721
VCC4V0_SYS_P: C2011.1 C2012.1 C2013.1 C2014.1 C2026.2 L2000.2 R2006.1 R2007.1 R2017.1 | length 22.2
  TOP w0.254: R2007.1@-2.752,68.357 4.215,68.357 5.681,66.891
  TOP w0.508: C2026.2@15.028,50.374 15.028,50.838 15.377,51.187 R2017.1@15.377,51.448 v4(15.943,51.448)
  BOTTOM w0.254: v4(15.943,51.448) 15.943,52.972 16.959,53.988 16.959,61.506 v4(16.349,62.116)
  other v3: 15.943,51.448 16.349,62.116

## Text inside footprints (layer, text, board x,y; h text height)
R1713: PIN_NUMBER "2" at 128.576,147.155 h0.64 r90; PIN_NUMBER "1" at 128.076,147.155 h0.64 r270; ASSEMBLY_TOP "499R" at 128.174,147.028 h0.25
R1714: PIN_NUMBER "1" at 127.383,147.155 h0.64 r90; PIN_NUMBER "2" at 126.882,147.155 h0.64 r270; ASSEMBLY_TOP "499R" at 126.98,147.028 h0.25
R1715: PIN_NUMBER "1" at 129.578,150.076 h0.64 r270; PIN_NUMBER "2" at 130.079,150.076 h0.64 r90; ASSEMBLY_TOP "499R" at 129.676,149.949 h0.25
R1716: PIN_NUMBER "2" at 128.385,150.076 h0.64 r270; PIN_NUMBER "1" at 128.885,150.076 h0.64 r90; ASSEMBLY_TOP "499R" at 128.482,149.949 h0.25
R1717: PIN_NUMBER "2" at 104.817,83.499 h0.64; PIN_NUMBER "1" at 104.817,82.999 h0.64 r180; ASSEMBLY_TOP "8.2K" at 104.792,83.249 h0.25 r270
R1800: PIN_NUMBER "2" at 81.887,61.643 h0.64 r180; PIN_NUMBER "1" at 81.887,62.144 h0.64; ASSEMBLY_TOP "200R" at 81.862,61.893 h0.25 r270
R1801: PIN_NUMBER "2" at 82.342,61.024 h0.64 r90; PIN_NUMBER "1" at 82.842,61.024 h0.64 r270; ASSEMBLY_TOP "200R" at 82.44,60.897 h0.25 r180
R1900: PIN_NUMBER "2" at 82.559,73.6 h0.64 r90; PIN_NUMBER "1" at 83.059,73.6 h0.64 r270; ASSEMBLY_TOP "0R" at 82.555,73.282 h0.64 r180
R1901: PIN_NUMBER "2" at 82.571,74.87 h0.64 r90; PIN_NUMBER "1" at 83.071,74.87 h0.64 r270; ASSEMBLY_TOP "0R" at 82.567,74.552 h0.64 r180
R1902: PIN_NUMBER "2" at 71.516,86.871 h0.64 r90; PIN_NUMBER "1" at 72.016,86.871 h0.64 r270; ASSEMBLY_TOP "0R" at 71.817,86.744 h0.25 r180
R1903: PIN_NUMBER "2" at 75.315,84.624 h0.64 r45; PIN_NUMBER "1" at 75.669,84.27 h0.64 r225; ASSEMBLY_TOP "0R" at 75.543,84.32 h0.25 r180
R1904: PIN_NUMBER "1" at 85.98,78.25 h0.64 r270; PIN_NUMBER "2" at 85.48,78.25 h0.64 r90; ASSEMBLY_TOP "0R" at 85.476,77.932 h0.64 r180
R1905: PIN_NUMBER "2" at 75.37,86.112 h0.64 r90; PIN_NUMBER "1" at 75.87,86.112 h0.64 r270; ASSEMBLY_TOP "0R" at 75.671,85.985 h0.25 r180
R1906: PIN_NUMBER "2" at 87.042,79.76 h0.64; PIN_NUMBER "1" at 87.042,79.26 h0.64 r180; ASSEMBLY_TOP "0R" at 87.105,79.51 h0.64 r270
R1907: PIN_NUMBER "2" at 82.659,76.7 h0.64 r90; PIN_NUMBER "1" at 83.16,76.7 h0.64 r270; ASSEMBLY_TOP "0R" at 82.655,76.383 h0.64 r180
R1908: PIN_NUMBER "2" at 84.913,75.818 h0.64 r135; PIN_NUMBER "1" at 85.267,76.172 h0.64 r315; ASSEMBLY_TOP "0R" at 84.836,75.678 h0.64 r180
R1909: PIN_NUMBER "2" at 82.659,77.462 h0.64 r90; PIN_NUMBER "1" at 83.16,77.462 h0.64 r270; ASSEMBLY_TOP "0R" at 82.655,77.145 h0.64 r180
R1910: PIN_NUMBER "1" at 84.767,78.25 h0.64 r270; PIN_NUMBER "2" at 84.267,78.25 h0.64 r90; ASSEMBLY_TOP "0R" at 84.263,77.932 h0.64 r180
R1911: PIN_NUMBER "1" at 83.071,74.232 h0.64 r270; PIN_NUMBER "2" at 82.571,74.232 h0.64 r90; ASSEMBLY_TOP "0R" at 82.567,73.914 h0.64 r180
R1912: PIN_NUMBER "2" at 87.825,84.515 h0.64; PIN_NUMBER "1" at 87.825,84.015 h0.64 r180; ASSEMBLY_TOP "0R" at 88.002,84.265 h0.25 r270
R1913: PIN_NUMBER "2" at 83.456,55.178 h0.64 r180; PIN_NUMBER "1" at 83.456,54.678 h0.64; ASSEMBLY_TOP "2.2K" at 83.43,54.928 h0.25 r90
R1914: PIN_NUMBER "2" at 84.345,53.146 h0.64 r180; PIN_NUMBER "1" at 84.345,52.646 h0.64; ASSEMBLY_TOP "2.2K" at 84.319,52.896 h0.25 r90
R1915: PIN_NUMBER "1" at 75.659,55.386 h0.64 r135; PIN_NUMBER "2" at 76.013,55.74 h0.64 r315; ASSEMBLY_TOP "2.2K" at 75.683,55.436 h0.25 r180
R1916: PIN_NUMBER "1" at 76.294,54.751 h0.64 r135; PIN_NUMBER "2" at 76.648,55.105 h0.64 r315; ASSEMBLY_TOP "2.2K" at 76.318,54.801 h0.25 r180
R1917: PIN_NUMBER "1" at 83.456,53.146 h0.64 r180; PIN_NUMBER "2" at 83.456,52.646 h0.64; ASSEMBLY_TOP "22R" at 83.532,52.896 h0.25 r90
R1918: PIN_NUMBER "1" at 82.694,53.146 h0.64 r180; PIN_NUMBER "2" at 82.694,52.646 h0.64; ASSEMBLY_TOP "22R" at 82.77,52.896 h0.25 r90
R1922: PIN_NUMBER "1" at 86.06,85.775 h0.25 r135; PIN_NUMBER "2" at 85.424,86.412 h0.25 r135; ASSEMBLY_TOP "0R" at 85.945,86.094 h0.25 r135
R2000: PIN_NUMBER "1" at 6.459,155.89 h0.25 r90; PIN_NUMBER "2" at 6.459,158.49 h0.25 r90; ASSEMBLY_TOP "2R" at 6.484,157.19 h0.25 r90
R2001: PIN_NUMBER "2" at 19.803,30.336 h0.25 r270; PIN_NUMBER "1" at 19.803,32.936 h0.25 r270; ASSEMBLY_TOP "0R" at 19.829,31.631 h0.25 r90
R2002: PIN_NUMBER "2" at 6.692,133.779 h0.25; PIN_NUMBER "1" at 5.242,133.779 h0.25; ASSEMBLY_TOP "10K" at 5.764,133.652 h0.25
R2003: PIN_NUMBER "2" at 21.327,44.763 h0.25 r270; PIN_NUMBER "1" at 21.327,47.363 h0.25 r270; ASSEMBLY_TOP "0R" at 21.353,46.059 h0.25 r90
R2004: PIN_NUMBER "1" at 16.755,49.474 h0.25 r90; PIN_NUMBER "2" at 16.755,50.374 h0.25 r90; ASSEMBLY_TOP "510K" at 16.578,49.924 h0.25 r90
R2005: PIN_NUMBER "1" at 11.008,53.277 h0.25 r180; PIN_NUMBER "2" at 10.108,53.277 h0.25 r180; ASSEMBLY_TOP "3.3R" at 10.253,53.15 h0.25
R2006: PIN_NUMBER "2" at 26.179,55.568 h0.25 r270; PIN_NUMBER "1" at 26.052,62.518 h0.25 r270; ASSEMBLY_TOP "0.01R" at 26.128,59.17 h0.25 r90
R2007: PIN_NUMBER "2" at -2.853,67.457 h0.25 r270; PIN_NUMBER "1" at -2.853,68.357 h0.25 r270; ASSEMBLY_TOP "2.2K" at -3.031,67.907 h0.25 r90
R2008: PIN_NUMBER "2" at 15.841,49.474 h0.25 r270; PIN_NUMBER "1" at 15.841,50.374 h0.25 r270; ASSEMBLY_TOP "100K" at 15.663,49.924 h0.25 r90
R2009: PIN_NUMBER "2" at 8.38,50.432 h0.25 r180; PIN_NUMBER "1" at 9.281,50.432 h0.25 r180; ASSEMBLY_TOP "100K" at 8.526,50.305 h0.25
R2010: PIN_NUMBER "2" at 136.567,114.56 h0.25 r270; PIN_NUMBER "1" at 136.567,116.56 h0.25 r270; ASSEMBLY_TOP "0R" at 136.593,115.56 h0.25 r90
R2011: PIN_NUMBER "2" at 133.648,115.906 h0.25 r90; PIN_NUMBER "1" at 133.648,115.006 h0.25 r90; ASSEMBLY_TOP "10K" at 133.572,115.456 h0.25 r90
R2012: PIN_NUMBER "2" at 131.572,115.906 h0.25 r90; PIN_NUMBER "1" at 131.572,115.006 h0.25 r90; ASSEMBLY_TOP "100K" at 131.394,115.456 h0.25 r90
R2013: PIN_NUMBER "2" at 129.603,115.006 h0.25 r270; PIN_NUMBER "1" at 129.603,115.906 h0.25 r270; ASSEMBLY_TOP "120K" at 129.425,115.456 h0.25 r90
R2014: PIN_NUMBER "2" at 133.275,113.322 h0.25; PIN_NUMBER "1" at 131.275,113.322 h0.25; ASSEMBLY_TOP "0R" at 132.173,113.195 h0.25
R2015: PIN_NUMBER "1" at 12.895,50.374 h0.25 r270; PIN_NUMBER "2" at 12.895,49.474 h0.25 r270; ASSEMBLY_TOP "DNP" at 12.818,49.924 h0.25 r90
R2016: PIN_NUMBER "1" at 13.911,49.474 h0.25 r90; PIN_NUMBER "2" at 13.911,50.374 h0.25 r90; ASSEMBLY_TOP "DNP" at 13.834,49.924 h0.25 r90
R2017: PIN_NUMBER "1" at 15.275,51.448 h0.25 r180; PIN_NUMBER "2" at 14.375,51.448 h0.25 r180; ASSEMBLY_TOP "43K" at 14.622,51.321 h0.25
R2018: PIN_NUMBER "2" at 12.444,51.448 h0.25 r180; PIN_NUMBER "1" at 13.345,51.448 h0.25 r180; ASSEMBLY_TOP "7.5K" at 12.59,51.321 h0.25
R2019: PIN_NUMBER "1" at 9.281,51.448 h0.25 r180; PIN_NUMBER "2" at 8.38,51.448 h0.25 r180; ASSEMBLY_TOP "100K" at 8.526,51.321 h0.25
R2020: PIN_NUMBER "2" at 12.082,57.892 h0.25 r90; PIN_NUMBER "1" at 12.082,56.992 h0.25 r90; ASSEMBLY_TOP "100K" at 11.904,57.442 h0.25 r90
R2021: PIN_NUMBER "1" at 31.923,50.327 h0.25 r180; PIN_NUMBER "2" at 31.023,50.327 h0.25 r180; ASSEMBLY_TOP "10K" at 31.269,50.2 h0.25
R2022: PIN_NUMBER "1" at 33.932,49.409 h0.25 r180; PIN_NUMBER "2" at 33.032,49.409 h0.25 r180; ASSEMBLY_TOP "232K" at 33.177,49.282 h0.25
R2023: PIN_NUMBER "2" at 33.969,51.448 h0.25; PIN_NUMBER "1" at 33.069,51.448 h0.25; ASSEMBLY_TOP "30K" at 33.316,51.321 h0.25
R2024: PIN_NUMBER "2" at 22.771,34.684 h0.25 r180; PIN_NUMBER "1" at 25.371,34.684 h0.25 r180; ASSEMBLY_TOP "0.01R" at 23.66,34.557 h0.25
R2100: PIN_NUMBER "2" at 130.771,95.136 h0.25 r180; PIN_NUMBER "1" at 133.371,95.136 h0.25 r180; ASSEMBLY_TOP "0.01R" at 131.66,95.009 h0.25
R2101: PIN_NUMBER "2" at 140.847,107.487 h0.25 r270; PIN_NUMBER "1" at 140.847,108.388 h0.25 r270; ASSEMBLY_TOP "100K" at 140.669,107.938 h0.25 r270
R2102: PIN_NUMBER "1" at 136.05,112.611 h0.25; PIN_NUMBER "2" at 138.05,112.611 h0.25; ASSEMBLY_TOP "0.02R" at 136.643,112.484 h0.25
R2103: PIN_NUMBER "2" at 140.847,109.454 h0.25 r270; PIN_NUMBER "1" at 140.847,110.355 h0.25 r270; ASSEMBLY_TOP "120K" at 140.669,109.905 h0.25 r270
R2104: PIN_NUMBER "2" at 129.056,95.854 h0.25 r90; PIN_NUMBER "1" at 129.056,94.954 h0.25 r90; ASSEMBLY_TOP "100R" at 128.878,95.404 h0.25 r270
R2111: PIN_NUMBER "1" at 128.836,98.895 h0.25; PIN_NUMBER "2" at 130.836,98.895 h0.25; ASSEMBLY_TOP "0.01R" at 129.43,98.768 h0.25
R2112: PIN_NUMBER "2" at 128.63,106.566 h0.25 r180; PIN_NUMBER "1" at 131.23,106.566 h0.25 r180; ASSEMBLY_TOP "0.01R" at 129.519,106.439 h0.25
R2113: PIN_NUMBER "2" at 132.776,98.267 h0.25 r270; PIN_NUMBER "1" at 132.776,99.167 h0.25 r270; ASSEMBLY_TOP "100R" at 132.598,98.717 h0.25 r270
R2114: PIN_NUMBER "2" at 135.424,104.947 h0.25 r270; PIN_NUMBER "1" at 135.424,105.848 h0.25 r270; ASSEMBLY_TOP "100R" at 135.246,105.398 h0.25 r270
R2121: PIN_NUMBER "1" at 153.915,90.682 h0.25 r90; PIN_NUMBER "2" at 153.915,92.682 h0.25 r90; ASSEMBLY_TOP "0.02R" at 153.636,91.682 h0.25 r90
R2122: PIN_NUMBER "1" at 140.128,87.795 h0.25 r180; PIN_NUMBER "2" at 137.528,87.795 h0.25 r180; ASSEMBLY_TOP "0.01R" at 138.417,87.668 h0.25
R2123: PIN_NUMBER "2" at 151.408,91.301 h0.25 r180; PIN_NUMBER "1" at 152.308,91.301 h0.25 r180; ASSEMBLY_TOP "0R" at 151.756,91.174 h0.25
R2124: PIN_NUMBER "1" at 142.841,88.751 h0.25 r270; PIN_NUMBER "2" at 142.841,87.851 h0.25 r270; ASSEMBLY_TOP "100R" at 142.663,88.301 h0.25 r90
R2125: PIN_NUMBER "1" at 150.352,91.301 h0.25 r180; PIN_NUMBER "2" at 149.452,91.301 h0.25 r180; ASSEMBLY_TOP "20K" at 149.699,91.174 h0.25
R2126: PIN_NUMBER "2" at 148.552,93.206 h0.25 r180; PIN_NUMBER "1" at 149.452,93.206 h0.25 r180; ASSEMBLY_TOP "100K" at 148.697,93.079 h0.25
R2127: PIN_NUMBER "1" at 156.862,97.286 h0.25 r90; PIN_NUMBER "2" at 156.862,99.286 h0.25 r90; ASSEMBLY_TOP "0.02R" at 156.582,98.286 h0.25 r90
R2128: PIN_NUMBER "2" at 150.77,114.999 h0.25; PIN_NUMBER "1" at 148.17,114.999 h0.25; ASSEMBLY_TOP "0.01R" at 149.069,114.872 h0.25
R2129: PIN_NUMBER "2" at 146.489,111.944 h0.25 r90; PIN_NUMBER "1" at 146.489,111.043 h0.25 r90; ASSEMBLY_TOP "100R" at 146.311,111.494 h0.25 r90
R2130: PIN_NUMBER "1" at 142.882,115.075 h0.25; PIN_NUMBER "2" at 144.882,115.075 h0.25; ASSEMBLY_TOP "0.02R" at 143.476,114.948 h0.25
R2131: PIN_NUMBER "1" at 131.319,102.629 h0.25 r180; PIN_NUMBER "2" at 129.319,102.629 h0.25 r180; ASSEMBLY_TOP "0R" at 130.217,102.502 h0.25
R2132: PIN_NUMBER "2" at 145.66,90.525 h0.25 r270; PIN_NUMBER "1" at 145.66,91.975 h0.25 r270; ASSEMBLY_TOP "0.02R" at 145.381,91.25 h0.25 r90
R2133: PIN_NUMBER "2" at 144.162,90.525 h0.25 r270; PIN_NUMBER "1" at 144.162,91.975 h0.25 r270; ASSEMBLY_TOP "0.05R" at 143.882,91.25 h0.25 r90
R2134: PIN_NUMBER "2" at 150.715,108.489 h0.25 r90; PIN_NUMBER "1" at 150.715,107.589 h0.25 r90; ASSEMBLY_TOP "100K" at 150.537,108.039 h0.25 r90
R2135: PIN_NUMBER "2" at 147.057,90.525 h0.25 r270; PIN_NUMBER "1" at 147.057,91.975 h0.25 r270; ASSEMBLY_TOP "0.02R" at 146.778,91.25 h0.25 r90
R2136: PIN_NUMBER "2" at 137.087,109.195 h0.25; PIN_NUMBER "1" at 136.187,109.195 h0.25; ASSEMBLY_TOP "100K" at 136.332,109.068 h0.25
R2137: PIN_NUMBER "2" at 150.715,109.494 h0.25 r270; PIN_NUMBER "1" at 150.715,110.394 h0.25 r270; ASSEMBLY_TOP "10K" at 150.639,109.944 h0.25 r90
R2138: PIN_NUMBER "2" at 135.493,103.977 h0.25; PIN_NUMBER "1" at 134.593,103.977 h0.25; ASSEMBLY_TOP "10K" at 134.84,103.85 h0.25
R2139: PIN_NUMBER "2" at 154.6,106.49 h0.25; PIN_NUMBER "1" at 153.15,106.49 h0.25; ASSEMBLY_TOP "0.05R" at 153.469,106.363 h0.25
R2140: PIN_NUMBER "2" at 136.187,108.192 h0.25 r180; PIN_NUMBER "1" at 137.087,108.192 h0.25 r180; ASSEMBLY_TOP "100K" at 136.332,108.065 h0.25
R2141: PIN_NUMBER "2" at 154.6,105.093 h0.25; PIN_NUMBER "1" at 153.15,105.093 h0.25; ASSEMBLY_TOP "0R" at 153.773,104.966 h0.25
R2142: PIN_NUMBER "2" at 154.6,103.734 h0.25; PIN_NUMBER "1" at 153.15,103.734 h0.25; ASSEMBLY_TOP "0.02R" at 153.469,103.607 h0.25
R2143: PIN_NUMBER "2" at 154.64,102.375 h0.25; PIN_NUMBER "1" at 153.19,102.375 h0.25; ASSEMBLY_TOP "0.02R" at 153.509,102.248 h0.25
R2144: PIN_NUMBER "2" at 154.615,101.029 h0.25; PIN_NUMBER "1" at 153.165,101.029 h0.25; ASSEMBLY_TOP "0.05R" at 153.484,100.902 h0.25
R2150: PIN_NUMBER "2" at 153.908,107.811 h0.25; PIN_NUMBER "1" at 153.008,107.811 h0.25; ASSEMBLY_TOP "100K" at 153.153,107.684 h0.25
R2200: PIN_NUMBER "2" at 82.669,46.016 h0.25; PIN_NUMBER "1" at 80.069,46.016 h0.25; ASSEMBLY_TOP "0.01R" at 80.963,45.889 h0.25 r180
R2201: PIN_NUMBER "2" at 73.881,46.143 h0.25; PIN_NUMBER "1" at 71.281,46.143 h0.25; ASSEMBLY_TOP "0.01R" at 72.174,46.016 h0.25 r180
R2202: PIN_NUMBER "2" at 82.919,39.112 h0.25 r180; PIN_NUMBER "1" at 83.819,39.112 h0.25 r180; ASSEMBLY_TOP "100R" at 83.064,38.985 h0.25 r180
R2203: PIN_NUMBER "2" at 74.13,39.239 h0.25 r180; PIN_NUMBER "1" at 75.03,39.239 h0.25 r180; ASSEMBLY_TOP "100R" at 74.275,39.112 h0.25 r180
R2204: PIN_NUMBER "1" at 67.294,36.208 h0.25 r180; PIN_NUMBER "2" at 66.394,36.208 h0.25 r180; ASSEMBLY_TOP "100K" at 66.539,36.081 h0.25 r180
R2205: PIN_NUMBER "2" at 74.13,36.337 h0.25 r180; PIN_NUMBER "1" at 75.03,36.337 h0.25 r180; ASSEMBLY_TOP "120K" at 74.275,36.21 h0.25 r180
R2206: PIN_NUMBER "2" at 92.854,89.569 h0.25 r270; PIN_NUMBER "1" at 92.854,92.169 h0.25 r270; ASSEMBLY_TOP "0.01R" at 92.574,90.869 h0.25 r270
R2207: PIN_NUMBER "2" at 86.511,98.286 h0.25 r180; PIN_NUMBER "1" at 87.411,98.286 h0.25 r180; ASSEMBLY_TOP "100R" at 86.656,98.159 h0.25 r180
R2209: PIN_NUMBER "1" at 125.929,9.064 h0.25; PIN_NUMBER "2" at 126.829,9.064 h0.25; ASSEMBLY_TOP "0R" at 126.277,8.937 h0.25
R2210: PIN_NUMBER "1" at 125.929,8.061 h0.25; PIN_NUMBER "2" at 126.829,8.061 h0.25; ASSEMBLY_TOP "0R" at 126.277,7.934 h0.25
R2220: PIN_NUMBER "2" at 80.073,45.657 h0.25 r180; PIN_NUMBER "1" at 82.673,45.657 h0.25 r180; ASSEMBLY_TOP "0R" at 82.618,45.784 h0.25 r180
R2221: PIN_NUMBER "2" at 80.073,47.79 h0.25 r180; PIN_NUMBER "1" at 82.673,47.79 h0.25 r180; ASSEMBLY_TOP "0R" at 81.267,47.663 h0.25
R2500: PIN_NUMBER "1" at 90.517,154.02 h0.25 r90; PIN_NUMBER "2" at 90.517,154.92 h0.25 r90; ASSEMBLY_TOP "4.7K" at 90.339,154.47 h0.25 r270
R2501: PIN_NUMBER "2" at 90.517,151.988 h0.25 r270; PIN_NUMBER "1" at 90.517,152.888 h0.25 r270; ASSEMBLY_TOP "DNP" at 90.441,152.438 h0.25 r270
R2502: PIN_NUMBER "1" at 100.525,152.341 h0.64; PIN_NUMBER "2" at 100.525,152.841 h0.64 r180; ASSEMBLY_TOP "0R" at 100.702,152.591 h0.25 r90
R2503: PIN_NUMBER "1" at 99.89,152.341 h0.64; PIN_NUMBER "2" at 99.89,152.841 h0.64 r180; ASSEMBLY_TOP "0R" at 100.067,152.591 h0.25 r90
R2505: PIN_NUMBER "2" at 103.776,149.753 h0.25 r270; PIN_NUMBER "1" at 103.776,150.653 h0.25 r270; ASSEMBLY_TOP "10K" at 103.7,150.203 h0.25 r270
R2506: PIN_NUMBER "1" at 97.121,151.531 h0.25 r90; PIN_NUMBER "2" at 97.121,152.431 h0.25 r90; ASSEMBLY_TOP "0R" at 97.146,151.981 h0.25 r90
R2507: PIN_NUMBER "2" at 97.121,150.298 h0.25 r90; PIN_NUMBER "1" at 97.121,149.397 h0.25 r90; ASSEMBLY_TOP "2.2R" at 96.943,149.848 h0.25 r90
R2508: PIN_NUMBER "2" at 96.105,150.298 h0.25 r90; PIN_NUMBER "1" at 96.105,149.397 h0.25 r90; ASSEMBLY_TOP "2.2R" at 95.927,149.848 h0.25 r90
R2509: PIN_NUMBER "1" at 96.105,151.531 h0.25 r90; PIN_NUMBER "2" at 96.105,152.431 h0.25 r90; ASSEMBLY_TOP "0R" at 96.13,151.981 h0.25 r90
R2510: PIN_NUMBER "2" at 103.598,145.599 h0.25 r90; PIN_NUMBER "1" at 103.598,144.698 h0.25 r90; ASSEMBLY_TOP "DNP" at 103.522,145.149 h0.25 r270
R2511: PIN_NUMBER "2" at 103.573,146.807 h0.25 r270; PIN_NUMBER "1" at 103.573,147.707 h0.25 r270; ASSEMBLY_TOP "4.7K" at 103.395,147.257 h0.25 r270
R2512: PIN_NUMBER "1" at 60.977,148.937 h0.64; PIN_NUMBER "2" at 60.977,149.437 h0.64 r180; ASSEMBLY_TOP "0R" at 61.155,149.187 h0.25 r90
R2513: PIN_NUMBER "2" at 73.55,130.172 h0.25 r90; PIN_NUMBER "1" at 73.55,128.172 h0.25 r90; ASSEMBLY_TOP "0R" at 73.575,129.172 h0.25 r90
R2514: PIN_NUMBER "2" at 61.612,149.437 h0.64 r180; PIN_NUMBER "1" at 61.612,148.937 h0.64; ASSEMBLY_TOP "0R" at 61.79,149.187 h0.25 r90
R2515: PIN_NUMBER "2" at 73.143,130.943 h0.25 r90; PIN_NUMBER "1" at 73.143,130.043 h0.25 r90; ASSEMBLY_TOP "10K" at 73.067,130.493 h0.25 r270
R2516: PIN_NUMBER "2" at 69.841,128.708 h0.25 r90; PIN_NUMBER "1" at 69.841,127.807 h0.25 r90; ASSEMBLY_TOP "DNP" at 69.765,128.258 h0.25 r90
R2517: PIN_NUMBER "2" at 69.841,129.839 h0.25 r270; PIN_NUMBER "1" at 69.841,130.74 h0.25 r270; ASSEMBLY_TOP "4.7K" at 69.664,130.29 h0.25 r90
R2518: PIN_NUMBER "2" at 74.464,144.252 h0.25 r90; PIN_NUMBER "1" at 74.464,143.352 h0.25 r90; ASSEMBLY_TOP "0R" at 74.49,143.802 h0.25 r270
R2519: PIN_NUMBER "1" at 74.464,141.117 h0.25 r90; PIN_NUMBER "2" at 74.464,142.017 h0.25 r90; ASSEMBLY_TOP "2.2R" at 74.286,141.567 h0.25 r270
R2520: PIN_NUMBER "1" at 73.499,141.117 h0.25 r90; PIN_NUMBER "2" at 73.499,142.017 h0.25 r90; ASSEMBLY_TOP "2.2R" at 73.321,141.567 h0.25 r270
R2521: PIN_NUMBER "2" at 73.448,144.252 h0.25 r90; PIN_NUMBER "1" at 73.448,143.352 h0.25 r90; ASSEMBLY_TOP "0R" at 73.474,143.802 h0.25 r270
R2522: PIN_NUMBER "2" at 140.874,68.498 h0.25 r270; PIN_NUMBER "1" at 140.874,69.399 h0.25 r270; ASSEMBLY_TOP "0R" at 140.899,68.949 h0.25 r90
R2523: PIN_NUMBER "1" at 140.874,71.611 h0.25 r270; PIN_NUMBER "2" at 140.874,70.711 h0.25 r270; ASSEMBLY_TOP "2.2R" at 140.696,71.161 h0.25 r90
R2524: PIN_NUMBER "1" at 139.96,71.611 h0.25 r270; PIN_NUMBER "2" at 139.96,70.711 h0.25 r270; ASSEMBLY_TOP "2.2R" at 139.782,71.161 h0.25 r90
R2525: PIN_NUMBER "2" at 139.96,68.498 h0.25 r270; PIN_NUMBER "1" at 139.96,69.399 h0.25 r270; ASSEMBLY_TOP "0R" at 139.985,68.949 h0.25 r90